# Altium PCB Meter50_v6.PcbDoc (part 1 of 3) (continued)
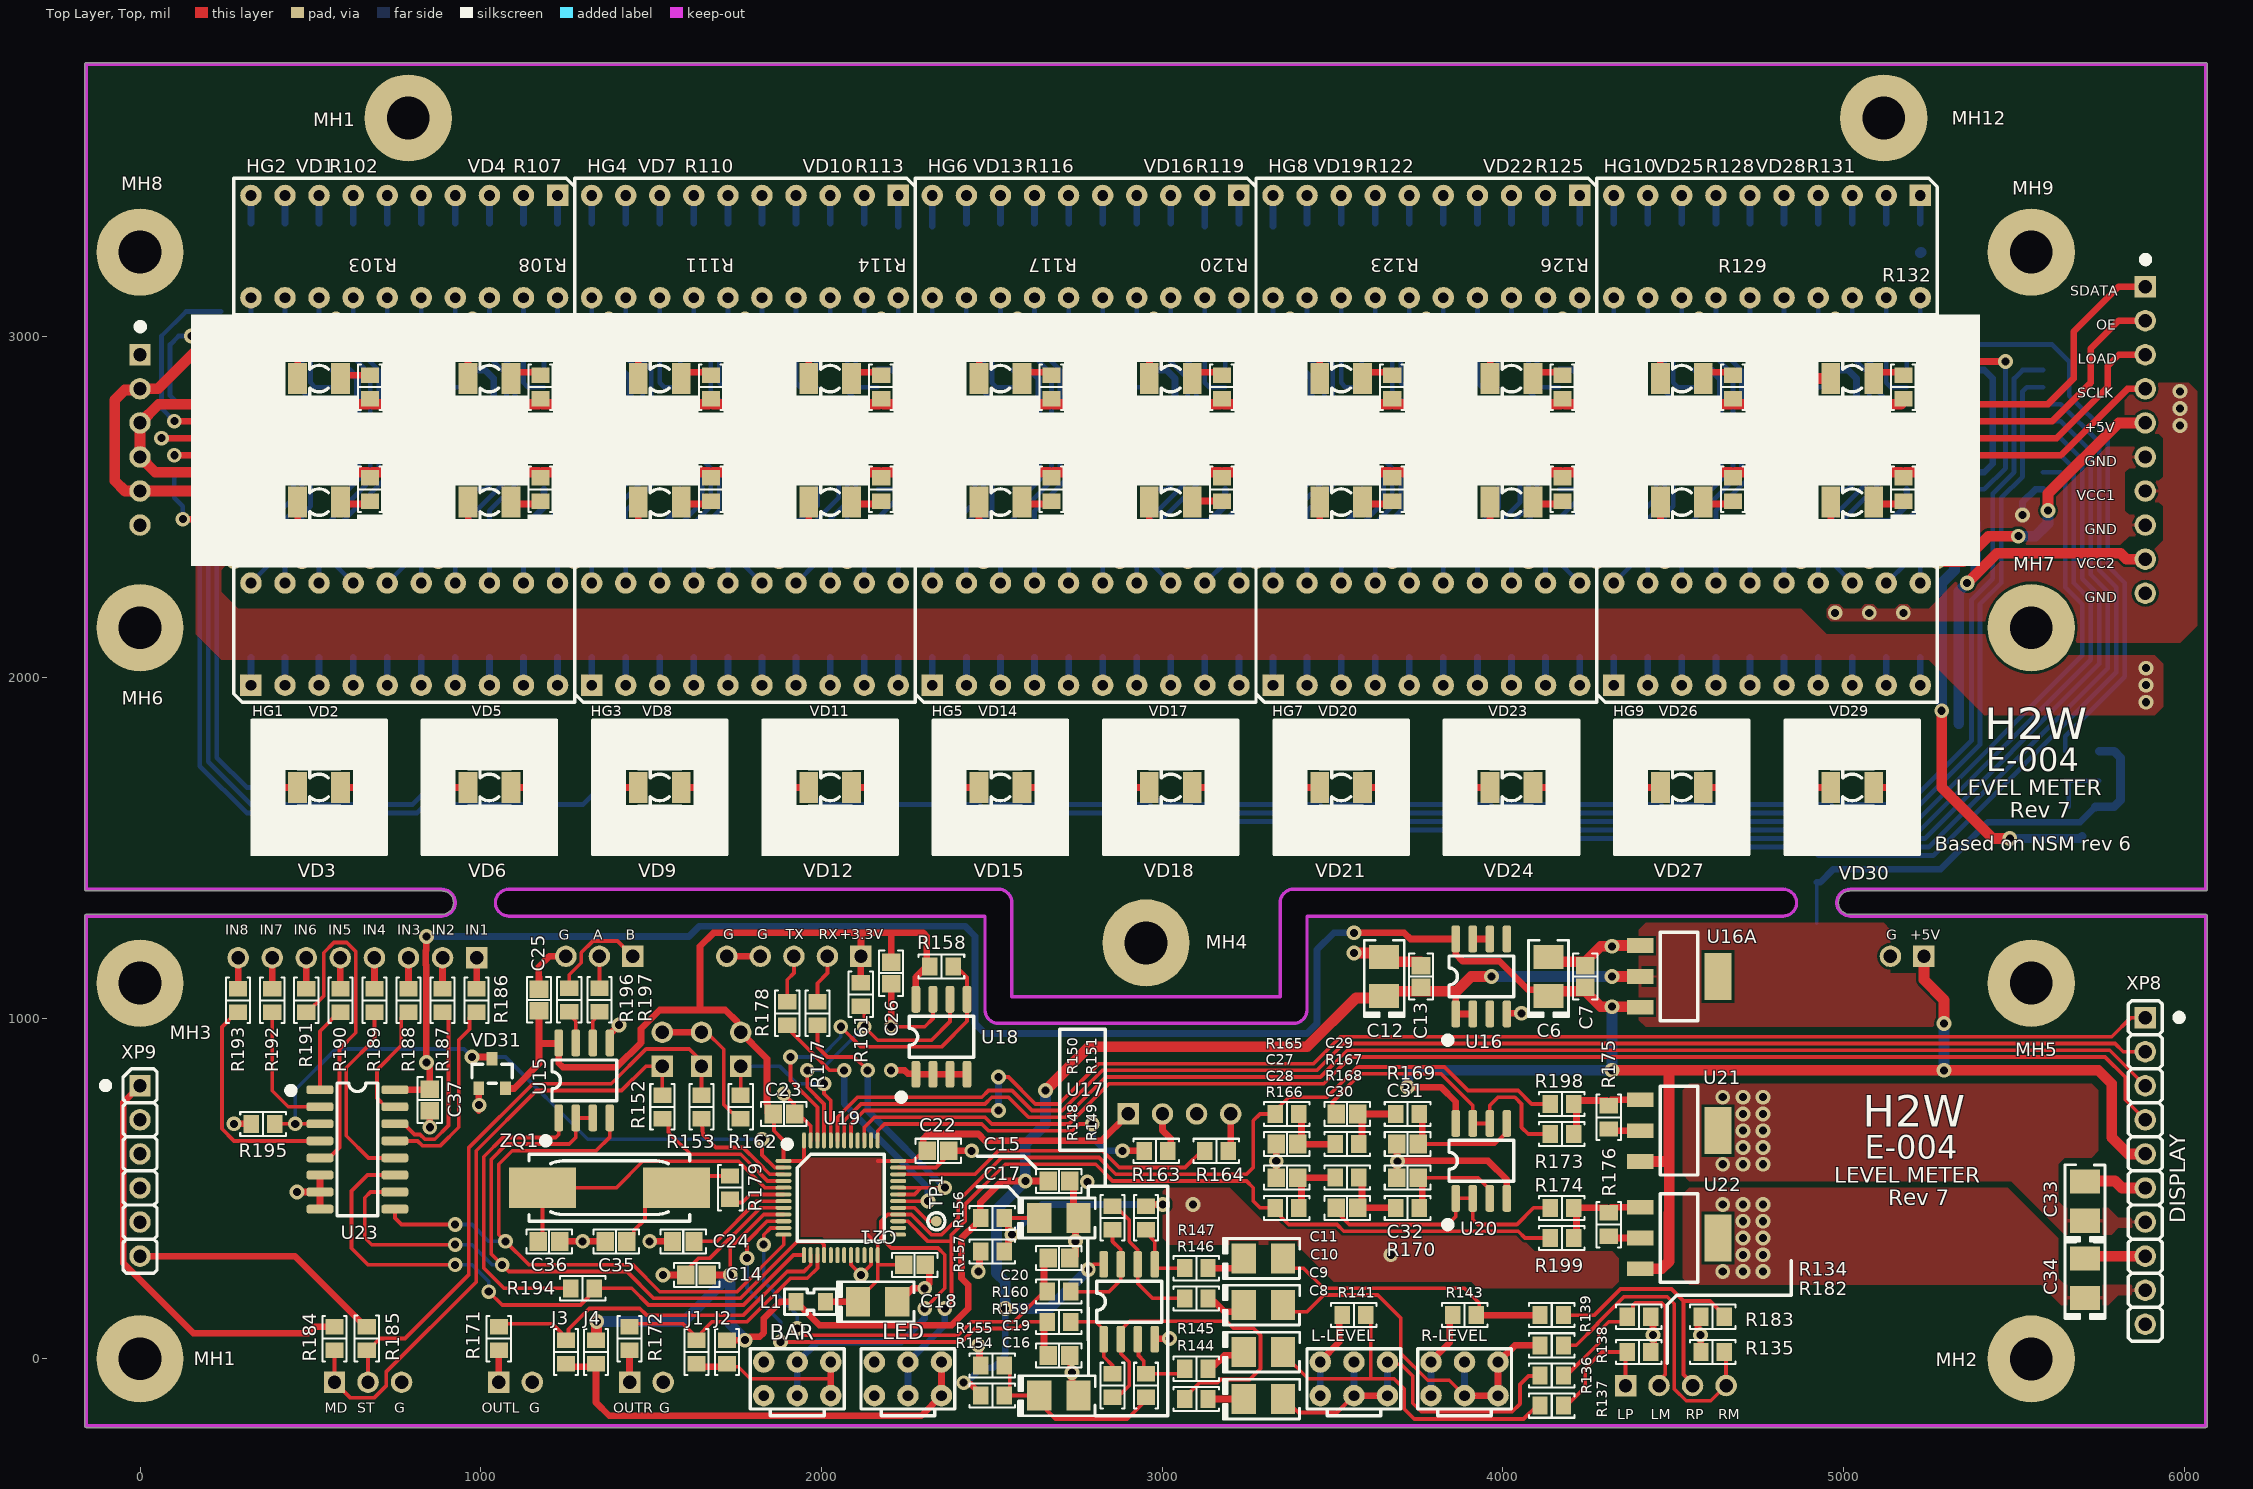
[diagram p0: Top Layer, Top view]
## Components (designator, comment, footprint, x,y, rotation, side; value= is the part's Value field where it differs from the comment)
C1 "0.1 µF" "CAP 0805_2012" 738.09,2414.37 r270 bottom
C2 "0.1 µF" "CAP 0805_2012" 1938.09,2414.37 r270 bottom
C3 "0.1 µF" "CAP 0805_2012" 3135.59,2414.37 r270 bottom
C4 "0.1 µF" "CAP 0805_2012" 4338.09,2414.37 r270 bottom
C5 "0.1 µF" "CAP 0805_2012" 5138.09,2414.37 r270 bottom
C6 "22 µF" "CAP POL 1411_3528" 4133.86,1122.05 r90 top
C7 "0.1 µF" "CAP 0805_2012" 4242.13,1122.05 r270 top
C8 "4.7 µF" "CAP POL 1411_3528" 3297.24,-118.11 r0 top
C9 "4.7 µF" "CAP POL 1411_3528" 3297.24,19.84 r0 top
C10 "4.7 µF" "CAP POL 1411_3528" 3297.24,157.8 r0 top
C11 "4.7 µF" "CAP POL 1411_3528" 3297.24,294.37 r0 top
C12 "22 µF" "CAP POL 1411_3528" 3651.57,1122.05 r90 top
C13 "0.1 µF" "CAP 0805_2012" 3759.84,1122.05 r270 top
C14 "0.1 µF" "CAP 0805_2012" 1633.86,246.06 r0 top
C15 "0.1 µF" "CAP 0805_2012" 2696.85,521.65 r180 top
C16 "22 µF" "CAP POL 1411_3528" 2696.85,-108.27 r0 top
C17 "22 µF" "CAP POL 1411_3528" 2696.85,413.39 r0 top
C18 "22 µF" "CAP POL 1411_3528" 2165.35,167.32 r0 top
C19 "330pF" "CAP 0805_2012" 2696.85,9.84 r180 top
C20 "330pF" "CAP 0805_2012" 2696.85,295.28 r180 top
C21 "0.1 µF" "CAP 0805_2012" 2273.62,275.59 r180 top
C22 "0.1 µF" "CAP 0805_2012" 2342.52,610.24 r180 top
C23 "0.1 µF" "CAP 0805_2012" 1889.76,718.5 r180 top
C24 "0.1 µF" "CAP 0805_2012" 1594.49,344.49 r0 top
C25 "0.1 µF" "CAP 0805_2012" 1171.26,1053.15 r270 top
C26 "0.1 µF" "CAP 0805_2012" 2204.72,1131.89 r90 top
C27 "0.1 µF" "CAP 0805_2012" 3366.14,629.92 r0 top
C28 "0.1 µF" "CAP 0805_2012" 3366.14,531.5 r0 top
C29 "0.1 µF" "CAP 0805_2012" 3543.31,718.5 r180 top
C30 "0.1 µF" "CAP 0805_2012" 3543.31,442.91 r180 top
C31 "0.1 µF" "CAP 0805_2012" 3720.47,629.92 r0 top
C32 "0.1 µF" "CAP 0805_2012" 3720.47,531.5 r0 top
C33 "22 µF" "CAP POL 1411_3528" 5708.66,462.6 r90 top
C34 "22 µF" "CAP POL 1411_3528" 5708.66,236.22 r90 top
C35 "22 pF" "CAP 0805_2012" 1397.64,344.49 r0 top
C36 "22 pF" "CAP 0805_2012" 1200.79,344.49 r180 top
C37 "0.1 µF" "CAP 0805_2012" 850.59,759.37 r90 top
HG1 "DC-10GWA" DC-10 775.59,2126.87 r0 top
HG2 "DC-10GWA" DC-10 775.59,3264.37 r180 top
HG3 "DC-10GWA" DC-10 1775.59,2126.87 r0 top
HG4 "DC-10GWA" DC-10 1775.59,3264.37 r180 top
HG5 "DC-10GWA" DC-10 2775.59,2126.87 r0 top
HG6 "DC-10GWA" DC-10 2775.59,3264.37 r180 top
HG7 "DC-10YWA" DC-10 3775.59,2126.87 r0 top
HG8 "DC-10YWA" DC-10 3775.59,3264.37 r180 top
HG9 "DC-10SRWA" DC-10 4775.59,2126.87 r0 top
HG10 "DC-10SRWA" DC-10 4775.59,3264.37 r180 top
J1 "0 Ohms" "RES 0805_2012" 1633.86,19.68 r270 top
J2 "0 Ohms" "RES 0805_2012" 1722.44,19.68 r270 top
J3 "0 Ohms" "RES 0805_2012" 1250,19.68 r270 top
J4 "0 Ohms" "RES 0805_2012" 1338.58,19.68 r270 top
JP1 "JUMPER" PLD-2 1533.09,908.12 r180 bottom
JP2 "JUMPER" PLD-2 1648.09,908.12 r180 bottom
JP3 "JUMPER" PLD-2 1763.09,908.12 r180 bottom
L1 "LQM21F" L0805 1968.5,167.32 r0 top value=22uH
MH1 "TP08" MountingHole01 787.4,3641.73 r0 top
MH1 "TP08" MountingHole01 0,0 r0 top
MH2 "TP08" MountingHole01 5551.18,-0.63 r0 top
MH3 "TP08" MountingHole01 0,1102.36 r0 top
MH4 "TP08" MountingHole01 2952.76,1220.47 r0 top
MH5 "TP08" MountingHole01 5551.18,1102.36 r0 top
MH6 "TP08" MountingHole01 0,2145.67 r0 top
MH7 "TP08" MountingHole01 5551.18,2145.67 r0 top
MH8 "TP09" MountingHole01 0,3248.03 r0 top
MH9 "TP08" MountingHole01 5551.18,3248.03 r0 top
MH12 "TP08" MountingHole01 5118.11,3641.73 r0 top
R1 "47 kOhms" "RES 0805_2012" 238.09,3039.37 r270 bottom
R2 "270 Ohms" "RES 0805_2012" 325.59,3289.37 r270 bottom
R3 "270 Ohms" "RES 0805_2012" 325.59,2101.87 r270 bottom
R4 "270 Ohms" "RES 0805_2012" 425.59,3289.37 r270 bottom
R5 "270 Ohms" "RES 0805_2012" 425.59,2101.87 r270 bottom
R6 "270 Ohms" "RES 0805_2012" 525.59,3289.37 r270 bottom
R7 "270 Ohms" "RES 0805_2012" 525.59,2101.87 r270 bottom
R8 "270 Ohms" "RES 0805_2012" 625.59,3289.37 r270 bottom
R9 "270 Ohms" "RES 0805_2012" 625.59,2101.87 r270 bottom
R10 "270 Ohms" "RES 0805_2012" 725.59,3289.37 r270 bottom
R11 "270 Ohms" "RES 0805_2012" 725.59,2101.87 r270 bottom
R12 "270 Ohms" "RES 0805_2012" 825.59,3289.37 r270 bottom
R13 "270 Ohms" "RES 0805_2012" 825.59,2101.87 r270 bottom
R14 "270 Ohms" "RES 0805_2012" 925.59,3289.37 r270 bottom
R15 "270 Ohms" "RES 0805_2012" 925.59,2101.87 r270 bottom
R16 "270 Ohms" "RES 0805_2012" 1025.59,3289.37 r270 bottom
R17 "270 Ohms" "RES 0805_2012" 1025.59,2101.87 r270 bottom
R18 "270 Ohms" "RES 0805_2012" 1125.59,3289.37 r270 bottom
R19 "270 Ohms" "RES 0805_2012" 1125.59,2101.87 r270 bottom
R20 "270 Ohms" "RES 0805_2012" 1225.59,3289.37 r270 bottom
R21 "270 Ohms" "RES 0805_2012" 1225.59,2101.87 r270 bottom
R22 "270 Ohms" "RES 0805_2012" 1325.59,3289.37 r270 bottom
R23 "270 Ohms" "RES 0805_2012" 1325.59,2101.87 r270 bottom
R24 "270 Ohms" "RES 0805_2012" 1425.59,3289.37 r270 bottom
R25 "270 Ohms" "RES 0805_2012" 1425.59,2101.87 r270 bottom
R26 "270 Ohms" "RES 0805_2012" 1525.59,3289.37 r270 bottom
R27 "270 Ohms" "RES 0805_2012" 1525.59,2101.87 r270 bottom
R28 "270 Ohms" "RES 0805_2012" 1625.59,3289.37 r270 bottom
R29 "270 Ohms" "RES 0805_2012" 1625.59,2101.87 r270 bottom
R30 "270 Ohms" "RES 0805_2012" 1725.59,3289.37 r270 bottom
R31 "270 Ohms" "RES 0805_2012" 1725.59,2101.87 r270 bottom
R32 "270 Ohms" "RES 0805_2012" 1825.59,3289.37 r270 bottom
R33 "270 Ohms" "RES 0805_2012" 1825.59,2101.87 r270 bottom
R34 "270 Ohms" "RES 0805_2012" 1925.59,3289.37 r270 bottom
R35 "270 Ohms" "RES 0805_2012" 1925.59,2101.87 r270 bottom
R36 "270 Ohms" "RES 0805_2012" 2025.59,3289.37 r270 bottom
R37 "270 Ohms" "RES 0805_2012" 2025.59,2101.87 r270 bottom
R38 "270 Ohms" "RES 0805_2012" 2125.59,3289.37 r270 bottom
R39 "270 Ohms" "RES 0805_2012" 2125.59,2101.87 r270 bottom
R40 "270 Ohms" "RES 0805_2012" 2225.59,3289.37 r270 bottom
R41 "270 Ohms" "RES 0805_2012" 2225.59,2101.87 r270 bottom
R42 "270 Ohms" "RES 0805_2012" 2325.59,3289.37 r270 bottom
R43 "270 Ohms" "RES 0805_2012" 2325.59,2101.87 r270 bottom
R44 "270 Ohms" "RES 0805_2012" 2425.59,3289.37 r270 bottom
R45 "270 Ohms" "RES 0805_2012" 2425.59,2101.87 r270 bottom
R46 "270 Ohms" "RES 0805_2012" 2525.59,3289.37 r270 bottom
R47 "270 Ohms" "RES 0805_2012" 2525.59,2101.87 r270 bottom
R48 "270 Ohms" "RES 0805_2012" 2625.59,3289.37 r270 bottom
R49 "270 Ohms" "RES 0805_2012" 2625.59,2101.87 r270 bottom
R50 "270 Ohms" "RES 0805_2012" 2725.59,3289.37 r270 bottom
R51 "270 Ohms" "RES 0805_2012" 2725.59,2101.87 r270 bottom
R52 "270 Ohms" "RES 0805_2012" 2825.59,3289.37 r270 bottom
R53 "270 Ohms" "RES 0805_2012" 2825.59,2101.87 r270 bottom
R54 "270 Ohms" "RES 0805_2012" 2925.59,3289.37 r270 bottom
R55 "270 Ohms" "RES 0805_2012" 2925.59,2101.87 r270 bottom
R56 "270 Ohms" "RES 0805_2012" 3025.59,3289.37 r270 bottom
R57 "270 Ohms" "RES 0805_2012" 3025.59,2101.87 r270 bottom
R58 "270 Ohms" "RES 0805_2012" 3125.59,3289.37 r270 bottom
R59 "270 Ohms" "RES 0805_2012" 3125.59,2101.87 r270 bottom
R60 "270 Ohms" "RES 0805_2012" 3225.59,3289.37 r270 bottom
R61 "270 Ohms" "RES 0805_2012" 3225.59,2101.87 r270 bottom
R62 "560 Ohms" "RES 0805_2012" 3325.59,3289.37 r270 bottom
R63 "560 Ohms" "RES 0805_2012" 3325.59,2101.87 r270 bottom
R64 "560 Ohms" "RES 0805_2012" 3425.59,3289.37 r270 bottom
R65 "560 Ohms" "RES 0805_2012" 3425.59,2101.87 r270 bottom
R66 "560 Ohms" "RES 0805_2012" 3525.59,3289.37 r270 bottom
R67 "560 Ohms" "RES 0805_2012" 3525.59,2101.87 r270 bottom
R68 "560 Ohms" "RES 0805_2012" 3625.59,3289.37 r270 bottom
R69 "560 Ohms" "RES 0805_2012" 3625.59,2101.87 r270 bottom
R70 "560 Ohms" "RES 0805_2012" 3725.59,3289.37 r270 bottom
R71 "560 Ohms" "RES 0805_2012" 3725.59,2101.87 r270 bottom
R72 "560 Ohms" "RES 0805_2012" 3825.59,3289.37 r270 bottom
R73 "560 Ohms" "RES 0805_2012" 3825.59,2101.87 r270 bottom
R74 "560 Ohms" "RES 0805_2012" 3925.59,3289.37 r270 bottom
R75 "560 Ohms" "RES 0805_2012" 3925.59,2101.87 r270 bottom
R76 "560 Ohms" "RES 0805_2012" 4025.59,3289.37 r270 bottom
R77 "560 Ohms" "RES 0805_2012" 4025.59,2101.87 r270 bottom
R78 "560 Ohms" "RES 0805_2012" 4125.59,3289.37 r270 bottom
R79 "560 Ohms" "RES 0805_2012" 4125.59,2101.87 r270 bottom
R80 "560 Ohms" "RES 0805_2012" 4225.59,3289.37 r270 bottom
R81 "560 Ohms" "RES 0805_2012" 4225.59,2101.87 r270 bottom
R82 "560 Ohms" "RES 0805_2012" 4325.59,3289.37 r270 bottom
R83 "560 Ohms" "RES 0805_2012" 4325.59,2101.87 r270 bottom
R84 "560 Ohms" "RES 0805_2012" 4425.59,3289.37 r270 bottom
R85 "560 Ohms" "RES 0805_2012" 4425.59,2101.87 r270 bottom
R86 "560 Ohms" "RES 0805_2012" 4525.59,3289.37 r270 bottom
R87 "560 Ohms" "RES 0805_2012" 4525.59,2101.87 r270 bottom
R88 "560 Ohms" "RES 0805_2012" 4625.59,3289.37 r270 bottom
R89 "560 Ohms" "RES 0805_2012" 4625.59,2101.87 r270 bottom
R90 "560 Ohms" "RES 0805_2012" 4725.59,3289.37 r270 bottom
R91 "560 Ohms" "RES 0805_2012" 4725.59,2101.87 r270 bottom
R92 "560 Ohms" "RES 0805_2012" 4825.59,3289.37 r270 bottom
R93 "560 Ohms" "RES 0805_2012" 4825.59,2101.87 r270 bottom
R94 "560 Ohms" "RES 0805_2012" 4925.59,3289.37 r270 bottom
R95 "560 Ohms" "RES 0805_2012" 4925.59,2101.87 r270 bottom
R96 "560 Ohms" "RES 0805_2012" 5025.59,3289.37 r270 bottom
R97 "560 Ohms" "RES 0805_2012" 5025.59,2101.87 r270 bottom
R98 "560 Ohms" "RES 0805_2012" 5125.59,3289.37 r270 bottom
R99 "560 Ohms" "RES 0805_2012" 5125.59,2101.87 r270 bottom
R100 "560 Ohms" "RES 0805_2012" 5225.59,3289.37 r270 bottom
R101 "560 Ohms" "RES 0805_2012" 5225.59,2101.87 r270 bottom
R102 "1 kOhms" "RES 0805_2012" 675.59,2851.87 r270 top
R103 "1 kOhms" "RES 0805_2012" 675.59,2551.87 r270 top
R104 "560 Ohms" "RES 0805_2012" 650.59,1776.87 r90 bottom
R105 "1 kOhms" "RES 0805_2012" 5650.59,1739.37 r270 bottom
R106 "47 kOhms" "RES 0805_2012" 5750.59,1739.37 r270 bottom
R107 "1 kOhms" "RES 0805_2012" 1175.59,2851.87 r270 top
R108 "1 kOhms" "RES 0805_2012" 1175.59,2551.87 r270 top
R109 "560 Ohms" "RES 0805_2012" 1150.59,1776.87 r90 bottom
R110 "1 kOhms" "RES 0805_2012" 1675.59,2851.87 r270 top
R111 "1 kOhms" "RES 0805_2012" 1675.59,2551.87 r270 top
R112 "560 Ohms" "RES 0805_2012" 1650.59,1776.87 r90 bottom
R113 "1 kOhms" "RES 0805_2012" 2175.59,2851.87 r270 top
R114 "1 kOhms" "RES 0805_2012" 2175.59,2551.87 r270 top
R115 "390 Ohms" "RES 0805_2012" 2150.59,1776.87 r90 bottom
R116 "1 kOhms" "RES 0805_2012" 2675.59,2851.87 r270 top
R117 "1 kOhms" "RES 0805_2012" 2675.59,2551.87 r270 top
R118 "390 Ohms" "RES 0805_2012" 2650.59,1776.87 r90 bottom
R119 "1 kOhms" "RES 0805_2012" 3175.59,2851.87 r270 top
R120 "1 kOhms" "RES 0805_2012" 3175.59,2551.87 r270 top
R121 "1 kOhms" "RES 0805_2012" 3150.59,1776.87 r90 bottom
R122 "390 Ohms" "RES 0805_2012" 3675.59,2851.87 r270 top
R123 "390 Ohms" "RES 0805_2012" 3675.59,2551.87 r270 top
R124 "560 Ohms" "RES 0805_2012" 3650.59,1776.87 r90 bottom
R125 "390 Ohms" "RES 0805_2012" 4175.59,2851.87 r270 top
R126 "390 Ohms" "RES 0805_2012" 4175.59,2551.87 r270 top
R127 "1 kOhms" "RES 0805_2012" 4150.59,1776.87 r90 bottom
R128 "560 Ohms" "RES 0805_2012" 4675.59,2851.87 r270 top
R129 "560 Ohms" "RES 0805_2012" 4675.59,2551.87 r270 top
R130 "560 Ohms" "RES 0805_2012" 4650.59,1776.87 r90 bottom
R131 "560 Ohms" "RES 0805_2012" 5175.59,2851.87 r270 top
R132 "560 Ohms" "RES 0805_2012" 5175.59,2551.87 r270 top
R133 "560 Ohms" "RES 0805_2012" 5150.59,1776.87 r90 bottom
R134 "100 Ohms" "RES 0805_2012" 4399.61,123.27 r180 top
R135 "100 Ohms" "RES 0805_2012" 4616.14,19.68 r0 top
R136 "10 kOhms" "RES 0805_2012" 4143.7,-49.21 r0 top
R137 "10 kOhms" "RES 0805_2012" 4143.7,-137.8 r0 top
R138 "10 kOhms" "RES 0805_2012" 4143.7,39.37 r0 top
R139 "10 kOhms" "RES 0805_2012" 4143.7,127.95 r0 top
R140 "3362X" 3362X_PRIMARY 3562.99,-9.84 r270 bottom value="10 K"
R141 "0 Ohms" "RES 0805_2012" 3562.99,127.95 r180 top
R142 "3362X" 3362X_PRIMARY 3887.8,-9.84 r270 bottom value="10 K"
R143 "0 Ohms" "RES 0805_2012" 3887.8,127.95 r180 top
R144 "10 kOhms" "RES 0805_2012" 3100.39,-118.11 r0 top
R145 "10 kOhms" "RES 0805_2012" 3100.39,-29.53 r0 top
R146 "10 kOhms" "RES 0805_2012" 3100.39,177.17 r0 top
R147 "10 kOhms" "RES 0805_2012" 3100.39,265.75 r0 top
R148 "100 kOhms" "RES 0805_2012" 2854.33,-78.74 r270 top
R149 "100 kOhms" "RES 0805_2012" 2952.76,-78.74 r90 top
R150 "100 kOhms" "RES 0805_2012" 2854.33,413.39 r90 top
R151 "100 kOhms" "RES 0805_2012" 2952.76,413.39 r270 top
R152 "220 Ohms" "RES 0805_2012" 1533.09,739.37 r270 top
R153 "220 Ohms" "RES 0805_2012" 1648.09,739.37 r90 top
R154 "1 kOhms" "RES 0805_2012" 2502,-108 r180 top
R155 "1 kOhms" "RES 0805_2012" 2502,-19.42 r0 top
R156 "1 kOhms" "RES 0805_2012" 2501.84,413.39 r180 top
R157 "1 kOhms" "RES 0805_2012" 2501.84,314.96 r0 top
R158 "4.7 kOhms" "RES 0805_2012" 2352.36,1151.57 r0 top
R159 "1 kOhms" "RES 0805_2012" 2696.85,108.27 r0 top
R160 "1 kOhms" "RES 0805_2012" 2696.85,196.85 r0 top
R161 "4.7 kOhms" "RES 0805_2012" 2115.59,1069.37 r270 top
R162 "4.7 kOhms" "RES 0805_2012" 1763.09,739.37 r90 top
R163 "22 Ohms" "RES 0805_2012" 2982.28,610.24 r180 top
R164 "22 Ohms" "RES 0805_2012" 3159.45,610.24 r0 top
R165 "47 kOhms" "RES 0805_2012" 3366.14,718.5 r180 top
R166 "47 kOhms" "RES 0805_2012" 3366.14,442.91 r180 top
R167 "47 kOhms" "RES 0805_2012" 3543.31,629.92 r180 top
R168 "47 kOhms" "RES 0805_2012" 3543.31,531.5 r180 top
R169 "47 kOhms" "RES 0805_2012" 3720.47,718.5 r180 top
R170 "47 kOhms" "RES 0805_2012" 3720.47,442.91 r180 top
R171 "1 kOhms" "RES 0805_2012" 1053.15,59.06 r270 top
R172 "1 kOhms" "RES 0805_2012" 1437.01,59.06 r270 top
R173 "120 Ohms" "RES 0805_2012" 4173.23,659.45 r0 top
R174 "120 Ohms" "RES 0805_2012" 4173.23,442.91 r0 top
R175 "240 Ohms" "RES 0805_2012" 4311.02,708.66 r270 top
R176 "240 Ohms" "RES 0805_2012" 4311.02,393.7 r270 top
R177 "22 Ohms" "RES 0805_2012" 1988.19,1013.78 r270 top
R178 "22 Ohms" "RES 0805_2012" 1899.61,1013.78 r270 top
R179 "220 Ohms" "RES 0805_2012" 1732.28,501.97 r90 top
R180 "3362X" 3362X_PRIMARY 1929.13,-9.84 r270 bottom value="10 K"
R181 "" 3362X_PRIMARY 2253.94,-9.84 r270 bottom value="10 K"
R182 "100 kOhms" "RES 0805_2012" 4399.61,19.68 r180 top
R183 "100 kOhms" "RES 0805_2012" 4616.14,123.27 r0 top
R184 "22 Ohms" "RES 0805_2012" 570.87,59.06 r270 top
R185 "22 Ohms" "RES 0805_2012" 665.59,59.37 r270 top
R186 "10 kOhms" "RES 0805_2012" 988.09,1051.87 r270 top
R187 "10 kOhms" "RES 0805_2012" 888.09,1051.87 r270 top
R188 "10 kOhms" "RES 0805_2012" 788.09,1051.87 r270 top
R189 "10 kOhms" "RES 0805_2012" 688.09,1051.87 r270 top
R190 "10 kOhms" "RES 0805_2012" 588.09,1051.87 r270 top
R191 "10 kOhms" "RES 0805_2012" 488.09,1051.87 r270 top
R192 "10 kOhms" "RES 0805_2012" 388.09,1051.87 r270 top
R193 "10 kOhms" "RES 0805_2012" 288.09,1051.87 r270 top
R194 "1 kOhms" "RES 0805_2012" 1299.21,206.69 r0 top
R195 "20 kOhms" "RES 0805_2012" 361.14,689.37 r0 top
R196 "22 Ohms" "RES 0805_2012" 1259.84,1053.15 r90 top
R197 "22 Ohms" "RES 0805_2012" 1348.43,1053.15 r90 top
R198 "390 Ohms" "RES 0805_2012" 4173.23,748.03 r0 top
R199 "390 Ohms" "RES 0805_2012" 4173.23,354.33 r0 top
R200 "0 Ohms" "RES 0805_2012" 4921.26,1338.58 r90 bottom
TP1 "TP08" TP08_Primary 2337.6,403.54 r0 top
U1 "74HC595D" SOIC-16 275.59,2726.87 r180 bottom
U2 "74HC595D" SOIC-16 675.59,2726.87 r180 bottom
U3 "74HC595D" SOIC-16 1075.59,2726.87 r180 bottom
U4 "74HC595D" SOIC-16 1475.59,2726.87 r180 bottom
U5 "74HC595D" SOIC-16 1875.59,2726.87 r180 bottom
U6 "74HC595D" SOIC-16 2275.59,2726.87 r180 bottom
U7 "74HC595D" SOIC-16 2675.59,2726.87 r180 bottom
U8 "74HC595D" SOIC-16 3075.59,2726.87 r180 bottom
U9 "74HC595D" SOIC-16 3475.59,2726.87 r180 bottom
U10 "74HC595D" SOIC-16 3875.59,2726.87 r180 bottom
U11 "74HC595D" SOIC-16 4275.59,2726.87 r180 bottom
U12 "74HC595D" SOIC-16 4675.59,2726.87 r180 bottom
U13 "74HC595D" SOIC-16 5075.59,2726.87 r180 bottom
U14 "74HC595D" SOIC-16 5475.59,2726.87 r180 bottom
U15 "ADM3485EAR" SOIC-8 1304.13,816.93 r90 top
U16 "LP2951ACM-3.3" SOIC-8 3937.01,1122.05 r90 top
U16A "LM1117MPX-3.3" SOT-223 4517.72,1122.05 r270 top
U17 "AD8606ARZ" SOIC-8 2903.54,167.32 r90 top
U18 "AT24C16" SOIC-8 2352.36,944.88 r90 top
U19 "STM32F100C8T6B" LQFP-48 2057.09,472.44 r0 top
U20 "AD8606ARZ" SOIC-8 3937.01,580.71 r90 top
U21 "LM1117MPX-ADJ" SOT-223 4517.72,669.29 r270 top
U22 "LM1117MPX-ADJ" SOT-223 4517.72,354.33 r270 top
U23 "74HC4051D" SOIC-16 638.09,614.37 r0 top
VD1 "LED3528" LED3528 525.59,2876.87 r90 top value=GRN
VD2 "LED3528" LED3528 525.59,2514.37 r90 top value=GRN
VD3 "LED3528" LED3528 525.59,1676.87 r90 top value=RED
VD4 "LED3528" LED3528 1025.59,2876.87 r90 top value=GRN
VD5 "LED3528" LED3528 1025.59,2514.37 r90 top value=GRN
VD6 "LED3528" LED3528 1025.59,1676.87 r90 top value=RED
VD7 "LED3528" LED3528 1525.59,2876.87 r90 top value=GRN
VD8 "LED3528" LED3528 1525.59,2514.37 r90 top value=GRN
VD9 "LED3528" LED3528 1525.59,1676.87 r90 top value=RED
VD10 "LED3528" LED3528 2025.59,2876.87 r90 top value=GRN
VD11 "LED3528" LED3528 2025.59,2514.37 r90 top value=GRN
VD12 "LED3528" LED3528 2025.59,1676.87 r90 top value=YEL
VD13 "LED3528" LED3528 2525.59,2876.87 r90 top value=GRN
VD14 "LED3528" LED3528 2525.59,2514.37 r90 top value=GRN
VD15 "LED3528" LED3528 2525.59,1676.87 r90 top value=YEL
VD16 "LED3528" LED3528 3025.59,2876.87 r90 top value=GRN
VD17 "LED3528" LED3528 3025.59,2514.37 r90 top value=GRN
VD18 "LED3528" LED3528 3025.59,1676.87 r90 top value=GRN
VD19 "LED3528" LED3528 3525.59,2876.87 r90 top value=YEL
VD20 "LED3528" LED3528 3525.59,2514.37 r90 top value=YEL
VD21 "LED3528" LED3528 3525.59,1676.87 r90 top value=RED
VD22 "LED3528" LED3528 4025.59,2876.87 r90 top value=YEL
VD23 "LED3528" LED3528 4025.59,2514.37 r90 top value=YEL
VD24 "LED3528" LED3528 4025.59,1676.87 r90 top value=GRN
VD25 "LED3528" LED3528 4525.59,2876.87 r90 top value=RED
VD26 "LED3528" LED3528 4525.59,2514.37 r90 top value=RED
VD27 "LED3528" LED3528 4525.59,1676.87 r90 top value=RED
VD28 "LED3528" LED3528 5025.59,2876.87 r90 top value=RED
VD29 "LED3528" LED3528 5025.59,2514.37 r90 top value=RED
VD30 "LED3528" LED3528 5025.59,1676.87 r90 top value=RED
VD31 "BAT54S" SOT-23 1033.46,836.61 r0 top
VT1 "IRLML0030" SOT-23 5700.59,1576.87 r0 bottom
XP1 "PW-5" PW-5 1919.29,1181.1 r180 bottom
XP2 "PW-3" PW-3 1348.43,1181.1 r180 bottom
XP3 "PW-4" PW-4 4507.87,-78.74 r0 bottom
XP4 "PW-2" PW-2 5187.01,1181.1 r180 bottom
XP5 "PLS-4" PLS-4 3051.18,718.5 r0 bottom
XP6 "PW-2" PW-2 1102.36,-68.9 r0 bottom
XP7 "PW-2" PW-2 1486.22,-68.9 r0 bottom
XP8 "PLS-10" PLS-10 5885.83,551.18 r270 top
XP9 "PLS-6" PLS-6 0,551.18 r270 top
XP10 "PW-3" PW-3 669.29,-68.9 r0 bottom
XP11 "PLS-8" PLS-8 638.09,1176.87 r180 bottom
XS1 "PBS-10" PLS-10 5885.83,2696.85 r270 bottom
XS2 "PBS-6" PLS-6 0,2696.85 r270 bottom
ZQ1 "HC-49SM" HC-49M 1377.95,501.97 r180 top value=8MHz

## Footprints (in the part's own frame and the unit in brackets; to place one, negate y for a bottom-side part, rotate by r counter-clockwise, add the part's x,y. Pads: shape width x height; smd on the part's side, far side on the other; paste and mask are expansions set on the pad)
3362X_PRIMARY [mm]
  round 1.6 hole 0.8: 1(0,2.5) 2(2.5,0) 3(0,-2.5)
  silkscreen extent -3.45,-3.45 3.45,3.45, body extent -1.08,-3.43 3.62,3.17, height 7.07
"CAP 0805_2012" [mm] "Chip Capacitor, 2-Leads, Body 2.00x1.20mm, IPC Medium Density"
  rect 1.3x1.4 smd: 1(-0.8,0) 2(0.8,0)
  silkscreen extent -1.7,-0.9 1.7,0.9, body extent -1,-0.64 1,0.64, height 1.26
"CAP POL 1411_3528" [mm] "Molded Capacitor, 2-Leads, Body 3.50x2.80mm, IPC Medium Density"
  rect 1.8x2.23 smd: 1(-1.46,0) 2(1.46,0)
  silkscreen extent -3,-1.5 2.71,1.48, body extent -1.87,-1.45 1.86,1.45, height 2
DC-10 [mm]
  rect 1.6x1.6 hole 0.8: 1(-11.43,-3.81)
  round 1.6 hole 0.8: 2(-8.89,-3.81) 3(-6.35,-3.81) 4(-3.81,-3.81) 5(-1.27,-3.81) 6(1.27,-3.81) 7(3.81,-3.81) 8(6.35,-3.81) 9(8.89,-3.81) 10(11.43,-3.81) 11(11.43,3.81) 12(8.89,3.81) 13(6.35,3.81) 14(3.81,3.81) 15(1.27,3.81) 16(-1.27,3.81) 17(-3.81,3.81) 18(-6.35,3.81) 19(-8.89,3.81) 20(-11.43,3.81)
  silkscreen extent -12.7,-5.08 12.7,5.08, body extent -12.7,-5.21 12.7,4.95, height 8
HC-49M [mm]
  rect 5x3 smd: 1(-5,0) 2(5,0)
  silkscreen extent -6,-2.5 6,2.5, body extent -6.48,-2.46 6.32,2.37, height 4.3
L0805 [mm]
  rect 1.1x1.3 smd: 1(-1.1,0) 2(1.1,0)
  silkscreen extent -1.95,-0.95 1.95,0.95
LED3528 [mm]
  rect 2.3x1.4 smd: 1(0,1.6) 2(0,-1.6)
  silkscreen extent -1.4,-1.6 1.4,1.6, body extent -1.44,-1.58 1.36,1.92, height 1.8
LQFP-48 [mm]
  oval 1.2x0.3 smd: 1(-4.275,2.75) 2(-4.275,2.25) 3(-4.275,1.75) 4(-4.275,1.25) 5(-4.275,0.75) 6(-4.275,0.25) 7(-4.275,-0.25) 8(-4.275,-0.75) 9(-4.275,-1.25) 10(-4.275,-1.75) 11(-4.275,-2.25) 12(-4.275,-2.75) 25(4.275,-2.75) 26(4.275,-2.25) 27(4.275,-1.75) 28(4.275,-1.25) 29(4.275,-0.75) 30(4.275,-0.25) 31(4.275,0.25) 32(4.275,0.75) 33(4.275,1.25) 34(4.275,1.75) 35(4.275,2.25) 36(4.275,2.75)
  oval 0.3x1.2 smd: 13(-2.75,-4.275) 14(-2.25,-4.275) 15(-1.75,-4.275) 16(-1.25,-4.275) 17(-0.75,-4.275) 18(-0.25,-4.275) 19(0.25,-4.275) 20(0.75,-4.275) 21(1.25,-4.275) 22(1.75,-4.275) 23(2.25,-4.275) 24(2.75,-4.275) 37(2.75,4.275) 38(2.25,4.275) 39(1.75,4.275) 40(1.25,4.275) 41(0.75,4.275) 42(0.25,4.275) 43(-0.25,4.275) 44(-0.75,4.275) 45(-1.25,4.275) 46(-1.75,4.275) 47(-2.25,4.275) 48(-2.75,4.275)
  silkscreen extent -3.25,-3.25 3.25,3.25, body extent -4.5,-4.5 4.5,4.5, height 1.6
MountingHole01 [mm]
  round 6.5 hole 3.2: 1(0,0)
PLD-2 [mm]
  rect 1.6x1.6 hole 1: 1(0,-1.27)
  round 1.6 hole 1: 2(0,1.27)
  silkscreen extent -1.27,-2.54 1.27,2.54, body extent -1.27,-2.54 1.27,2.54, height 8.6
PLS-4 [mm]
  rect 1.6x1.6 hole 1: 1(-3.81,0)
  round 1.6 hole 1: 2(-1.27,0) 3(1.27,0) 4(3.81,0)
  silkscreen extent -5.08,-1.27 5.08,1.27
PLS-6 [mm]
  rect 1.6x1.6 hole 1: 1(-6.35,0)
  round 1.6 hole 1: 2(-3.81,0) 3(-1.27,0) 4(1.27,0) 5(3.81,0) 6(6.35,0)
  silkscreen extent -7.62,-1.27 7.62,1.27, body extent -7.37,-1.14 7.87,1.4, height 8.6
PLS-8 [mm]
  rect 1.6x1.6 hole 1: 1(-8.89,0)
  round 1.6 hole 1: 2(-6.35,0) 3(-3.81,0) 4(-1.27,0) 5(1.27,0) 6(3.81,0) 7(6.35,0) 8(8.89,0)
  silkscreen extent -10.16,-1.27 10.16,1.27
PLS-10 [mm]
  rect 1.6x1.6 hole 1: 1(-11.43,0)
  round 1.6 hole 1: 2(-8.89,0) 3(-6.35,0) 4(-3.81,0) 5(-1.27,0) 6(1.27,0) 7(3.81,0) 8(6.35,0) 9(8.89,0) 10(11.43,0)
  silkscreen extent -12.7,-1.27 12.7,1.27
PW-2 [mm]
  rect 1.6x1.6 hole 1: 1(-1.25,0)
  round 1.6 hole 1: 2(1.25,0)
  silkscreen extent -3.75,-3.5 3.75,2.5, body extent -3.7,-3.26 3.7,2.49, height 7